# Altium PCB PCB2.PcbDoc (part 2 of 2)
Units mm, origin at the board's own origin, x right, y up, seen from the top; angles counter-clockwise.
Board outline 141.51 x 108.51 mm, 4 copper layers (L1 (Signal), L2 (GND), L3 (GND), L4 (Signal)), stack 1.605 mm thick; 124 components, 111 nets, 456 pads, 199 vias.
Unrouted connection lines stored in the file: 77.
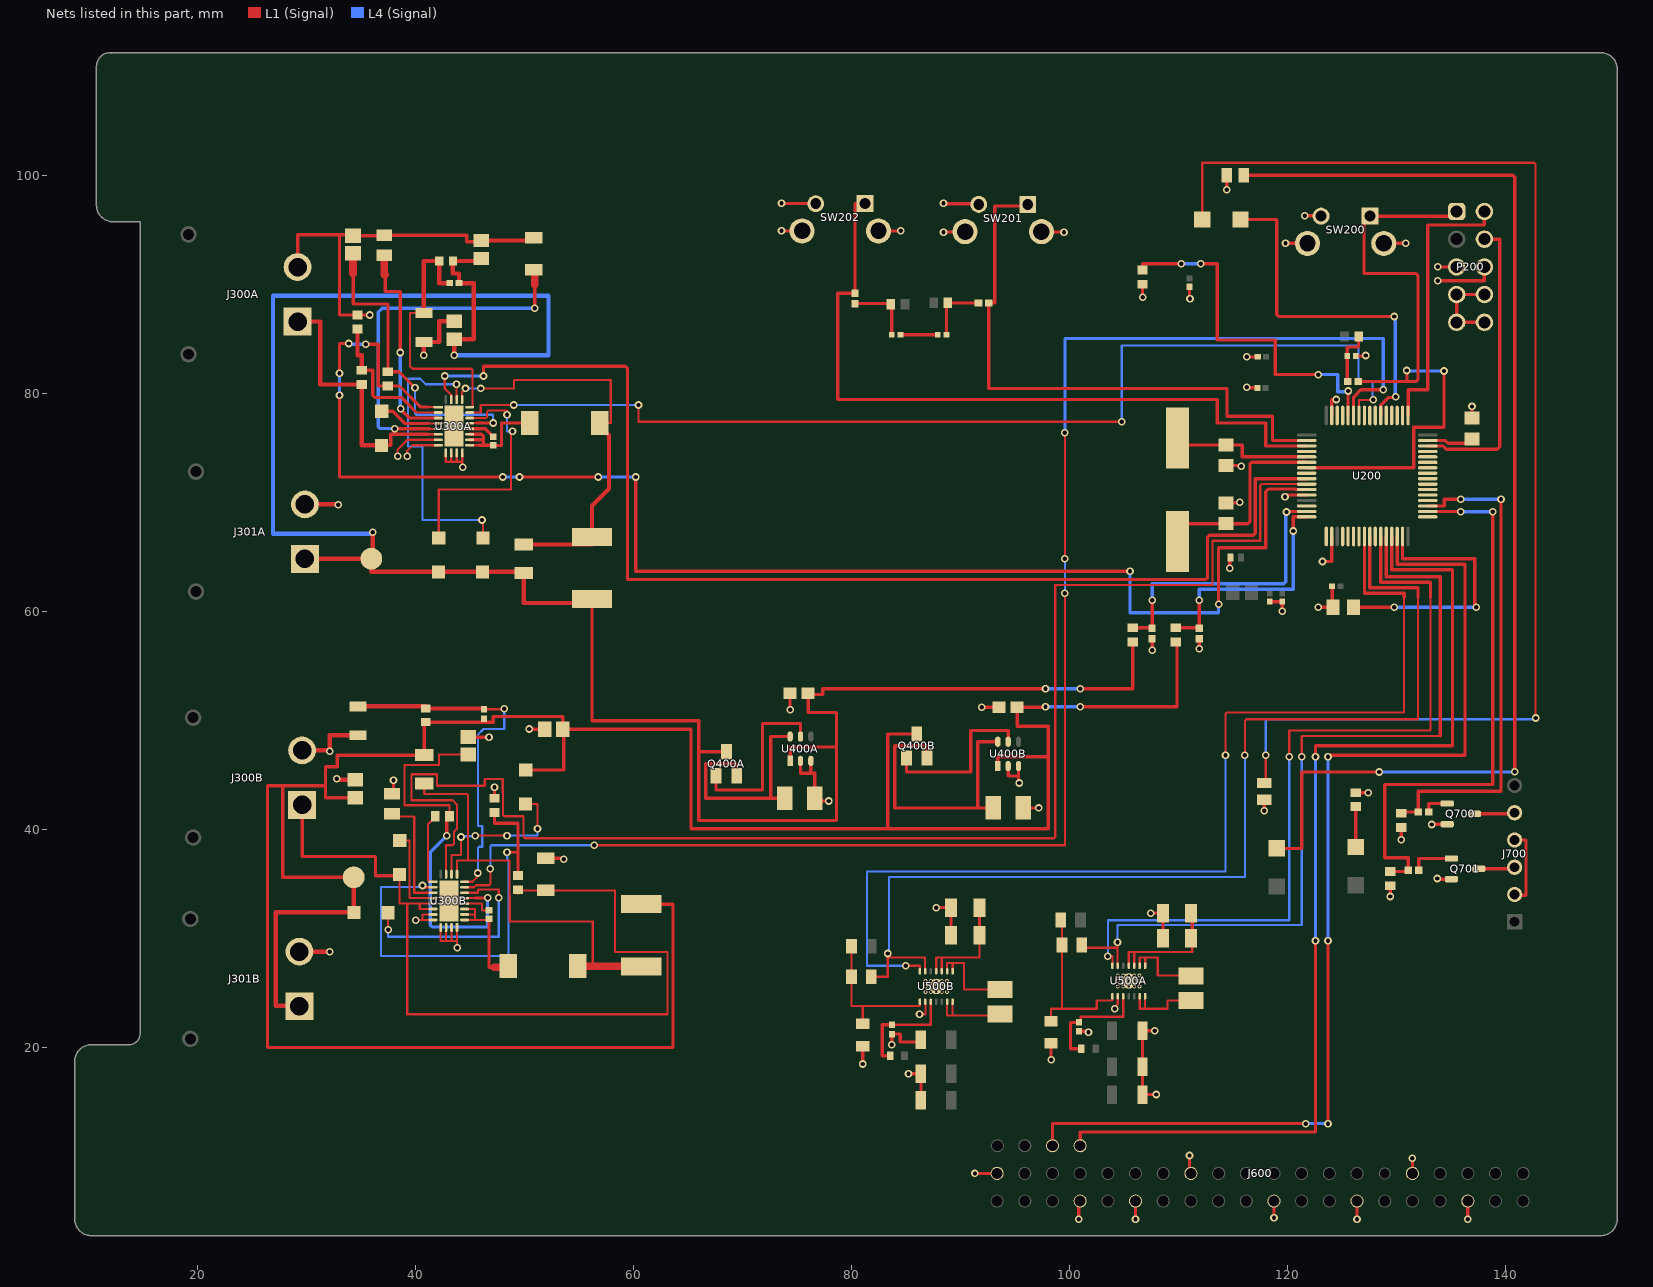
[diagram p4: the nets of this part, all layers, seen from the top]

## Via types
v1: diameter 0.7, hole 0.4, L1 (Signal) to L4 (Signal), 169 vias
v2: diameter 0.35, hole 0.2, L1 (Signal) to L4 (Signal), 30 vias

## Nets (pads, with @x,y where several pads share a name; then routed paths per layer and width w, separated by ;. In a path a pad name is that pad's centre, name@x,y a point inside that pad or via, vN(x,y) a via of type N, cw(c..) or ccw(c..) an arc to the next point about the centre after c; other vN are vias at no path point) (continued)
GND: C200.1 C201.1 C202.1 C203.1 C204.1 C205.1 C206.1 C207.2 C208.2 C209.2 C210.2 C211.2 C212.2 C213.2 C301A.2 C301B.2 C304A.2 C304B.2 C305A.2 C305B.2 C306A.1 C306B.1 C400A.2 C400B.2 C401A.2 C401B.2 C500A.1 C500B.1 C501A.1 C501B.1 C502A.1 C502B.1 C503A.1 C503B.1 C504A.1 C504B.1 C505A.2 C505B.2 J300A.N J300B.N J301A.N J301B.N J600.6 J600.9 J600.14 J600.20 J600.25 J600.30 J600.34 J600.39 P200.5 P200.6 Q700.2 Q701.2 R202.1 R203.1 R210.1 R304A.2 R304B.2 R305A.1 R305B.1 R306A.1 R306B.1 R503A.1 R503B.1 R701.1 R703.1 R704.1 R705.1 R706.1 SW200.2 SW200.3 SW200.4 SW201.2 SW201.3 SW201.4 SW202.2 SW202.3 SW202.4 U200.12 U200.18 U200.63 U300A.7 U300A.8 U300A.9 U300A.10 U300A.11 U300A.12 U300A.25 U300B.7 U300B.8 U300B.9 U300B.10 U300B.11 U300B.12 U300B.25 U400A.2 U400A.3 U400B.2 U400B.3 U500A.2 U500A.15 U500B.2 U500B.15 | length 210.2
  L1 (Signal) w0.2: v1(38.368,74.232) 38.368,74.845 39.268,75.745 U300A.7@42.099,75.745 ; v1(39.257,74.232) 39.257,74.74 39.762,75.245 U300A.8@42.099,75.245 ; v1(40.019,31.687) 40.019,31.7 40.654,31.7 ; U300B.8@41.626,31.7 40.654,31.7 ; U300B.7@41.626,32.2 40.654,32.2 40.654,31.7 ; U300B.9@42.317,31.009 42.317,29.782 42.817,29.782 ; U300A.9@42.789,74.555 42.789,73.724 43.289,73.724 ; U300B.10@42.817,31.009 42.817,29.782 ; U300A.10@43.289,74.555 43.289,73.724 ; U300B.11@43.317,31.009 43.317,29.782 ; U300A.11@43.789,74.555 43.789,73.724 ; U300B.12@43.817,31.009 43.817,29.782 ; v1(43.829,29.147) 43.817,29.147 43.817,29.782 ; U300A.12@44.289,74.555 44.297,74.546 44.297,73.724 ; v1(44.337,73.216) 44.297,73.256 44.297,73.724 ; v1(86.247,23.051) 86.779,23.051 U500B.2@86.779,24.196 U500B.2@86.771,24.188 ; v1(104.154,23.559) 104.154,23.694 104.435,23.975 U500A.2@104.435,24.699 ; 42.817,29.782 43.317,29.782 ; 43.289,73.724 43.789,73.724 ; 43.317,29.782 43.817,29.782 ; 43.789,73.724 44.297,73.724
  L1 (Signal) w0.3: J300A.N@29.191,91.591 29.204,91.591 29.204,94.549 33.034,94.549 ; v1(35.828,87.186) 35.828,87.201 R304A.2@34.685,87.201 33.034,87.201 33.034,94.549 ; R305B.1@37.86,43.28 37.987,43.407 v1(37.987,44.514) ; C306B.1@45.137,48.272 45.315,48.451 v1(46.75,48.451) ; C304A.2@46.036,94.028 46.036,93.917 44.718,93.917 44.718,94.508 R305A.1@37.146,94.508 37.146,94.463 C306A.1@34.279,94.463 34.279,94.549 33.034,94.549 ; R304B.2@47.258,42.863 v1(47.258,43.879) ; v1(50.433,49.213) 50.433,49.198 C305B.2@51.867,49.198 ; C301B.2@51.957,37.353 53.608,37.353 v1(53.608,37.275) ; v1(73.585,94.905) SW202.4@75.475,94.905 ; v1(73.585,97.445) 73.605,97.425 76.705,97.425 SW202.2@76.725,97.405 ; v1(74.371,50.991) 74.373,50.991 C400A.2@74.373,52.487 ; U400A.2@75.326,46.292 75.326,45.149 76.276,45.149 ; U400A.3@76.276,46.292 76.276,45.149 ; v1(77.927,42.609) 76.889,42.609 C401A.2@76.635,42.863 76.635,45.149 76.276,45.149 ; v1(81.04,18.479) C505B.2@81.04,20.121 ; SW202.3@82.475,94.905 v1(84.507,94.905) ; v1(83.707,20.257) R503B.1@83.707,21.229 84.469,21.229 84.469,20.511 86.371,20.511 C502B.1@86.371,20.721 ; C209.2@84.507,85.38 C208.2@87.917,85.38 ; v1(85.231,17.59) C503B.1@86.371,17.59 C504B.1@86.371,15.177 ; v1(87.771,32.83) C500B.1@89.138,32.83 C501B.1@89.138,30.29 ; v1(88.444,94.778) 88.473,94.807 90.395,94.807 SW201.4@90.425,94.837 ; v1(88.444,97.445) 88.498,97.391 91.621,97.391 SW201.2@91.675,97.337 ; v1(91.327,8.446) J600.39@93.359,8.446 ; v1(91.962,51.217) C400B.2@93.549,51.217 ; U400B.2@94.375,45.811 94.375,44.895 95.325,44.895 ; U400B.3@95.264,45.811 U400B.3@95.325,45.811 95.325,44.895 ; v1(95.391,44.26) 95.325,44.26 95.325,44.895 ; C401B.2@95.75,41.974 v1(97.169,41.974) ; SW201.3@97.425,94.837 97.454,94.807 99.463,94.807 v1(99.493,94.778) ; v1(98.312,18.86) C505A.2@98.312,20.375 ; v1(100.852,4.255) 100.852,5.906 J600.34@100.979,5.906 ; R503A.1@100.852,21.483 101.741,21.483 v1(101.741,21.4) ; v1(106.059,4.255) J600.30@106.059,5.906 ; R210.1@106.697,90.009 106.697,88.809 v1(106.732,88.809) ; v1(107.471,32.329) 108.562,32.329 C500A.1@108.569,32.322 C501A.1@108.569,30.036 ; v1(107.583,56.452) R202.1@107.583,57.501 ; v1(107.837,21.527) C502A.1@106.697,21.527 C503A.1@106.697,18.225 C504A.1@106.697,15.685 v1(107.964,15.685) ; v1(111.012,10.097) 111.012,8.446 J600.25@111.139,8.446 ; C205.1@111.015,89.787 111.015,88.682 v1(111.05,88.682) ; v1(111.901,56.579) R203.1@111.901,57.501 ; C211.2@114.349,73.377 115.749,73.377 v1(115.749,73.315) ; C210.2@114.355,69.951 115.622,69.951 v1(115.622,70.013) ; v1(114.42,98.681) 114.428,98.681 R704.1@114.428,100.013 ; v1(114.695,63.945) 114.695,64.933 C206.1@114.756,64.933 ; v1(116.257,80.554) 116.284,80.526 117.212,80.526 C201.1@117.239,80.499 ; v1(116.257,83.348) C204.1@117.274,83.348 ; v1(117.87,41.72) R705.1@117.87,42.71 ; C200.1@118.378,60.898 C202.1@119.521,60.898 v1(119.521,60.008) ; v1(118.759,4.382) J600.20@118.759,5.906 ; v1(119.775,70.526) 119.883,70.526 120.033,70.676 U200.12@121.756,70.676 ; v1(119.813,93.762) SW200.4@121.83,93.762 ; v1(121.591,96.302) 123.08,96.302 SW200.2@123.08,96.262 ; v1(122.823,60.389) 122.823,60.392 C213.2@124.094,60.392 ; v1(123.204,64.58) 124.056,64.58 U200.18@124.056,66.876 ; C203.1@124.056,62.294 C203.1@124.094,62.294 C213.2@124.094,60.392 ; U200.63@124.056,77.976 124.056,79.439 v1(124.474,79.439) ; C213.2@124.155,60.392 C213.2@124.094,60.392 ; R706.1@126.252,43.361 127.395,43.361 v1(127.395,43.371) ; C207.2@126.274,83.435 127.179,83.435 v1(127.179,83.475) ; v1(126.379,4.255) J600.14@126.379,5.906 ; SW200.3@128.83,93.762 v1(130.862,93.762) ; v1(129.427,33.846) R703.1@129.427,34.847 ; v1(130.443,39.053) R701.1@130.443,40.181 ; J600.9@131.459,8.446 v1(131.459,9.843) ; v1(133.237,40.45) 133.237,40.483 Q700.2@134.649,40.483 ; v1(133.745,35.497) 133.745,35.436 Q701.2@135.03,35.436 ; v1(133.783,90.333) 138.059,90.333 P200.6@138.059,91.603 ; v1(133.783,91.603) P200.5@135.519,91.603 ; v1(136.539,4.255) J600.6@136.539,5.906 ; v1(136.92,78.804) 136.92,77.726 C212.2@136.923,77.726
  L1 (Signal) w0.4: J301B.N@29.356,28.789 32.145,28.789 v1(32.145,28.766) ; J300B.N@29.61,47.253 v1@32.145,47.253 ; J301A.N@29.87,69.818 32.907,69.818 v1(32.907,69.787) ; v1(32.145,47.181) v1@32.145,47.253 ; v1(32.78,44.641) 32.78,44.563 C304B.2@34.469,44.563 ; R306B.1@34.723,48.635 32.145,48.635 v1@32.145,47.253 ; v1(40.781,83.503) R306A.1@40.781,84.718 42.178,84.718 42.178,86.615 C305A.2@43.575,86.615 ; C304A.2@46.036,94.028 50.862,94.028 C301A.2@50.862,94.296
  other v2: 86.779,25.096 87.279,25.096 87.779,25.096 88.279,25.096 88.779,25.096 86.779,25.596 87.279,25.596 87.779,25.596 88.279,25.596 88.779,25.596 104.435,25.599 104.935,25.599 105.435,25.599 105.935,25.599 106.435,25.599 86.779,26.096 87.279,26.096 87.779,26.096 88.279,26.096 88.779,26.096 104.435,26.099 104.935,26.099 105.435,26.099 105.935,26.099 106.435,26.099 104.435,26.599 104.935,26.599 105.435,26.599 105.935,26.599 106.435,26.599
NetC210_1: C210.1 U200.6 Y200.1 | length 18.9
  L1 (Signal) w0.3: Y200.1@109.907,66.406 109.907,68.051 C210.1@114.355,68.051 116.376,68.051 116.552,68.227 116.552,73.5 116.728,73.676 U200.6@121.756,73.676
NetC211_1: C211.1 U200.5 Y200.2 | length 13.6
  L1 (Signal) w0.3: Y200.2@109.907,75.906 109.907,75.277 C211.1@114.349,75.277 115.838,75.277 115.838,74.176 U200.5@121.756,74.176
NetC212_1: C212.1 U200.47 | length 4.3
  L1 (Signal) w0.3: U200.47@132.856,75.676 134.486,75.676 134.725,75.437 136.534,75.437 C212.1@136.923,75.826
NetC213_1: C213.1 U200.31 | length 24.5
  L1 (Signal) w0.3: C213.1@126.055,60.392 129.808,60.392 v1(129.808,60.389) ; U200.31@130.556,66.876 130.556,64.834 137.174,64.834 137.174,60.389 v1(137.301,60.389)
  L4 (Signal) w0.3: v1(129.808,60.389) v1(137.301,60.389)
NetC300A_1: C300A.1 U300A.16 | length 2.4
  L1 (Signal) w0.3: U300A.16@44.98,76.745 46.415,76.745 C300A.1@47.131,76.029
NetC300A_2: C300A.2 L300A.1 U300A.13 U300A.14 U300A.15 | length 11
  L1 (Signal) w0.2: U300A.13@44.98,75.245 45.861,75.245 45.861,75.248
  L1 (Signal) w0.3: U300A.14@44.98,75.745 46.242,75.745 ; U300A.15@44.98,76.245 46.066,76.245 46.242,76.069 46.242,75.745 ; 45.861,75.248 46.242,75.248 ; L300A.1@50.51,77.28 47.893,77.28 47.893,75.229 C300A.2@47.131,75.229 47.131,75.248 46.242,75.248 ; 46.242,75.248 46.242,75.745
NetC300B_1: C300B.1 U300B.16 | length 2.9
  L1 (Signal) w0.2: U300B.16@44.508,33.2 46.115,33.2 46.115,32.576 46.75,32.576 C300B.1@46.75,32.595
NetC300B_2: C300B.2 L300B.1 U300B.13 U300B.14 U300B.15 | length 11.5
  L1 (Signal) w0.2: U300B.13@44.508,31.7 44.508,31.687 45.48,31.687 ; U300B.14@44.508,32.2 44.508,32.193 45.48,32.193 ; U300B.15@44.508,32.7 45.48,32.7 45.48,32.193 ; C300B.2@46.75,31.795 46.75,31.687 45.48,31.687 ; 45.48,31.687 45.48,32.193
  L1 (Signal) w0.3: C300B.2@46.75,31.687 46.75,27.369 47.258,27.369
  L1 (Signal) w0.7: 47.258,27.369 48.503,27.369 L300B.1@48.503,27.496
NetC301A_1: C301A.1 J300A.P NT1A.1 R301A.1 U300A.5 U300A.6 | length 60
  L1 (Signal) w0.2: 41.162,76.245 U300A.6@42.099,76.245 ; 41.289,76.745 U300A.5@42.099,76.745
  L1 (Signal) w0.3: NT1A.1@36.88,75.235 37.733,75.235 37.733,76.245 38.114,76.245 ; 41.162,76.245 38.114,76.245 ; 41.289,76.745 38.141,76.745 v1(38.114,76.772) 38.114,76.245 ; v1(50.941,87.821) 50.941,89.98
  L1 (Signal) w0.4: J300A.P@29.191,86.591 31.256,86.591 31.256,80.821 R301A.1@35.066,80.821 35.066,75.235 NT1A.1@36.88,75.235
  L1 (Signal) w0.7: C301A.1@50.862,91.346 50.941,91.346 50.941,89.98
  L4 (Signal) w0.3: v1(38.114,76.772) 36.763,76.772 36.587,76.948 36.587,87.437 36.971,87.821 v1(50.941,87.821)
NetC301B_1: C301B.1 J300B.P NT1B.1 R301B.1 U300B.5 U300B.6 | length 82.1
  L1 (Signal) w0.2: NT1B.1@38.531,35.865 38.531,35.751 38.531,33.2 39.257,33.2 ; U300B.6@41.626,32.7 40.4,32.7 40.4,33.2 ; U300B.5@41.626,33.2 40.4,33.2 ; R301B.1@49.417,34.403 C301B.1@51.957,34.403 58.307,34.403 58.307,28.766 63.133,28.766 63.133,23.051 39.257,23.051 39.257,33.2 ; 39.257,33.2 40.4,33.2
  L1 (Signal) w0.3: J300B.P@29.61,42.253 29.61,37.529 36.336,37.529 36.336,35.751 NT1B.1@38.531,35.751
  L1 (Signal) w0.7: R301B.1@49.417,34.403 R301B.1@49.417,34.466
NetC302A_1: C302A.1 L300A.2 R300A.1 U300A.21 | length 38.6
  L1 (Signal) w0.2: U300A.21@44.289,79.436 44.289,80.107 44.591,80.409 v1(44.591,80.455) ; v1(45.988,80.455) 49.036,80.455 49.036,81.217 49.936,81.217 49.936,81.23 57.484,81.23 57.497,81.217 57.926,81.217 57.926,77.28 L300A.2@56.91,77.28
  L1 (Signal) w0.4: C302A.1@49.925,66.134 56.196,66.134 R300A.1@56.196,66.847 56.196,69.686 57.76,71.25 57.76,76.146 57.526,76.38 57.51,76.38 56.91,76.98 L300A.2@56.91,77.28
  L4 (Signal) w0.2: v1(44.591,80.455) v1(45.988,80.455)
NetC302A_2: C302A.2 C303A.1 C304A.1 C305A.1 C400A.1 J301A.P NT2A.2 NT3A.2 Q400A.3 R200.2 R300A.2 R303A.2 TP300A.1 U400A.1 | length 218
  L1 (Signal) w0.3: R300A.2@56.196,61.137 56.196,60.77 56.196,49.975 65.989,49.975 65.989,47.138 ; Q400A.3@68.529,47.138 65.989,47.138 ; U400A.1@74.376,46.292 74.376,47.562 78.435,47.562 ; C400A.1@76.025,52.487 C400A.1@76.025,52.388 ; v1(97.804,52.896) 77.357,52.896 77.357,52.388 C400A.1@76.025,52.388 ; v1(100.979,52.896) 105.805,52.896 R200.2@105.805,57.199 ; 65.989,47.138 65.989,40.831 78.627,40.831 78.627,50.737 76.025,50.737 C400A.1@76.025,52.388
  L1 (Signal) w0.4: J301A.P@29.87,64.818 TP300A.1@35.955,64.818 ; v1(36.082,67.247) 36.082,64.818 TP300A.1@35.955,64.818 ; v1(43.575,83.503) C305A.1@43.575,84.963 45.353,84.963 45.353,90.107 R303A.2@44,90.107 44,90.996 43.438,90.996 C303A.1@43.438,92.139 46.036,92.139 C304A.1@46.036,92.376 ; R300A.2@56.196,60.77 49.925,60.77 C302A.2@49.925,63.534 49.925,63.627 NT2A.2@46.169,63.627 NT3A.2@42.105,63.627 35.955,63.627 TP300A.1@35.955,64.818
  L4 (Signal) w0.3: v1(97.804,52.896) v1(100.979,52.896)
  L4 (Signal) w0.4: v1(36.082,67.247) 36.082,67.12 26.938,67.12 26.938,88.964 52.211,88.964 52.211,83.503 v1(43.575,83.503)
NetC303A_2: C303A.2 R303A.1 R306A.2 U300A.20 | length 24.8
  L1 (Signal) w0.2: R306A.2@40.781,87.368 39.511,87.368 39.511,82.477 39.729,82.259 45.124,82.259 45.241,82.142 45.241,78.765 45.221,78.745 U300A.20@44.98,78.745
  L1 (Signal) w0.4: R306A.2@40.781,87.368 40.781,92.139 C303A.2@42.188,92.139 42.188,90.107 R303A.1@43.15,90.107
NetC303B_1: C303B.1 C304B.1 C305B.1 C320B.2 C400B.1 J301B.P NT2B.2 NT3B.2 Q400B.3 R201.2 R300B.2 R303B.2 TP300B.1 U400B.1 | length 264.3
  L1 (Signal) w0.3: TP300B.1@34.342,35.624 27.827,35.624 27.827,44.006 ; C304B.1@34.469,42.911 31.764,42.911 31.764,44.006 ; C303B.1@40.819,49.843 C320B.2@40.819,46.815 32.84,46.815 32.84,45.739 31.764,45.739 31.764,44.006 ; C303B.1@40.946,49.843 47.131,49.843 47.131,50.356 53.519,50.356 C305B.1@53.519,49.198 C305B.1@53.608,49.198 ; NT2B.2@50.125,45.452 53.608,45.452 C305B.1@53.608,49.198 ; R300B.2@60.72,33.145 63.641,33.145 63.641,20.003 26.43,20.003 26.43,44.006 27.827,44.006 ; Q400B.3@85.993,48.761 83.326,48.761 83.326,40.069 ; U400B.1@93.425,45.811 93.425,46.673 98.058,46.673 ; v1(97.804,51.245) 97.804,51.217 C400B.1@95.201,51.217 95.201,49.467 98.058,49.467 98.058,46.673 ; v1(100.979,51.245) 109.869,51.245 109.869,57.199 R201.2@109.742,57.199 ; 27.827,44.006 31.764,44.006 ; C305B.1@53.608,49.198 65.292,49.198 65.292,40.069 83.326,40.069 ; 83.326,40.069 98.058,40.069 98.058,46.673
  L1 (Signal) w0.4: J301B.P@29.356,23.789 29.356,23.813 27.192,23.813 27.192,32.395 NT3B.2@34.342,32.395 ; TP300B.1@34.342,35.624 TP300B.1@34.342,35.609 NT3B.2@34.342,32.395 ; NT3B.2@34.367,32.395 NT3B.2@34.342,32.395 ; C303B.1@40.819,49.843 C303B.1@40.946,49.843
  L4 (Signal) w0.3: v1(97.804,51.245) v1(100.979,51.245)
NetC303B_2: C303B.2 R303B.1 R306B.2 U300B.20 | length 33.3
  L1 (Signal) w0.2: U300B.20@44.508,35.2 45.223,35.2 45.638,35.615 45.638,35.909 v1(45.734,36.005) ; R303B.1@46.28,51.02 48.147,51.02 v1(48.147,51.056)
  L1 (Signal) w0.4: R306B.2@34.723,51.285 40.946,51.285 C303B.2@40.946,51.093 46.28,51.093 R303B.1@46.28,51.02
  L4 (Signal) w0.2: v1(45.734,36.005) 45.734,38.301 45.851,38.418 46.13,38.418 46.13,40.323 45.734,40.323 45.734,48.7 46.247,49.213 48.147,49.213 v1(48.147,51.056)
NetC306A_2: C306A.2 R302A.2 U300A.17 | length 29.7
  L1 (Signal) w0.2: U300A.17@44.98,77.245 44.98,77.28 45.607,77.28
  L1 (Signal) w0.3: 34.304,90.996 34.304,88.202 37.479,88.202 R302A.2@37.479,81.979 38.495,81.979 v1(39.965,80.509) ; 45.607,77.28 v1(47.131,77.28)
  L1 (Signal) w0.7: 34.279,90.996 C306A.2@34.279,92.863
  L4 (Signal) w0.2: v1(39.965,80.509) 39.965,78.159 40.082,78.042 47.131,78.042 v1(47.131,77.28)
NetC306B_2: C306B.2 R302B.2 U300B.17 | length 36.5
  L1 (Signal) w0.2: R302B.2@43.12,41.197 43.12,42.228 39.003,42.228 39.003,45.911 42.178,45.911 42.178,46.889 C306B.2@44.845,46.889 ; U300B.17@44.508,33.7 45.48,33.7 45.48,33.719
  L1 (Signal) w0.3: v1(42.88,39.434) 42.88,40.957 R302B.2@43.12,41.197 ; 45.48,33.719 v1(46.623,33.719)
  L4 (Signal) w0.3: v1(42.88,39.434) 41.354,37.908 41.354,31.228 41.53,31.052 46.623,31.052 v1(46.623,33.719)
NetC320B_1: C320B.1 L300B.2 R300B.1 U300B.21 | length 40.2
  L1 (Signal) w0.2: C320B.1@40.819,44.215 40.819,43.244 44.713,43.244 44.83,43.127 44.83,37.28 44.845,37.265 ; U300B.21@43.817,35.891 43.829,35.891 43.829,37.148 48.642,37.148 48.642,33.942 48.655,33.929 48.655,31.56 56.275,31.56 56.275,27.435
  L1 (Signal) w0.7: L300B.2@54.903,27.496 54.903,27.435 56.275,27.435 R300B.1@60.72,27.435
NetC401A_1: C401A.1 Q400A.2 U400A.6 | length 21.8
  L1 (Signal) w0.3: Q400A.2@69.479,44.938 69.479,46.038 66.624,46.038 66.624,42.863 72.593,42.863 ; C401A.1@73.885,42.863 72.593,42.863 ; U400A.6@74.376,48.523 72.593,48.523 72.593,42.863
NetC401B_1: C401B.1 Q400B.2 U400B.6 | length 26.8
  L1 (Signal) w0.3: Q400B.2@86.943,46.561 86.943,47.689 83.961,47.689 83.961,41.974 91.581,41.974 ; C401B.1@93,41.974 91.581,41.974 ; U400B.6@93.425,48.042 91.581,48.042 91.581,41.974
NetC505A_1: C505A.1 R500A.2 R502A.2 U500A.1 | length 16.2
  L1 (Signal) w0.2: C505A.1@98.312,22.425 98.312,23.559 99.328,23.559 ; R502A.2@99.201,31.687 99.328,31.687 R500A.2@99.328,29.401 99.328,23.559 ; U500A.1@103.935,24.699 103.935,24.321 102.503,24.321 102.503,23.559 99.328,23.559
NetC505B_1: C505B.1 R500B.2 R502B.2 U500B.1 | length 13.8
  L1 (Signal) w0.2: R502B.2@80.013,29.274 R500B.2@80.013,26.48 80.013,23.813 81.04,23.813 ; C505B.1@81.04,22.171 81.04,23.813 ; U500B.1@86.279,24.196 86.279,23.813 81.04,23.813
NetD700_1: D700.1 R705.2 | length 117.4
  L1 (Signal) w0.2: D700.1@112.183,95.949 112.183,101.156 142.645,101.156 142.762,101.039 v1(142.762,50.229) ; R705.2@117.87,44.26 117.997,44.387 v1(117.997,46.8)
  L4 (Signal) w0.2: v1(117.997,46.8) 117.997,49.985 118.114,50.102 142.762,50.102 v1(142.762,50.229)
NetD700_2: D700.2 U200.54 | length 33
  L1 (Signal) w0.3: D700.2@115.683,95.949 119.013,95.949 119.013,87.235 119.189,87.059 v1(129.808,87.059) ; U200.54@128.556,77.976 128.556,78.933 129.239,79.616 129.858,79.616 v1(129.935,79.693)
  L4 (Signal) w0.3: v1(129.808,87.059) 129.872,86.995 129.872,79.756 v1(129.935,79.693)
NetD701_1: D701.1 R704.2 | length 108.4
  L1 (Signal) w0.3: R704.2@115.978,100.013 140.681,100.013 140.857,99.837 v1(140.857,45.283) ; D701.1@119.013,38.263 121.299,38.263 121.299,45.276 v1(128.411,45.276)
  L4 (Signal) w0.3: v1(128.411,45.276) 128.414,45.279 140.854,45.279 v1(140.857,45.283)
NetD702_1: D702.1 R706.2 | length 3.7
  L1 (Signal) w0.3: D702.1@126.252,38.39 R706.2@126.252,42.111
NetL500A_1: L500A.1 U500A.6 U500A.7 | length 7.8
  L1 (Signal) w0.2: U500A.6@106.435,24.699 106.44,24.699 106.44,23.559 106.935,23.559 ; U500A.7@106.935,24.699 106.935,23.559 ; L500A.1@111.15,24.321 108.98,24.321 108.98,23.559 106.935,23.559
NetL500A_2: L500A.2 U500A.8 U500A.9 | length 7.9
  L1 (Signal) w0.2: U500A.9@106.435,27.499 106.44,27.499 106.44,28.258 106.948,28.258 ; U500A.8@106.935,27.499 106.948,27.499 106.948,28.258 ; L500A.2@111.15,26.572 111.15,26.607 108.091,26.607 108.091,28.258 106.948,28.258
NetL500B_1: L500B.1 U500B.6 U500B.7 | length 7.5
  L1 (Signal) w0.2: U500B.6@88.779,24.196 88.779,22.924 89.279,22.924 ; U500B.7@89.279,24.196 89.279,22.924 ; L500B.1@93.613,23.068 93.613,22.924 89.279,22.924
NetL500B_2: L500B.2 U500B.8 U500B.9 | length 8.8
  L1 (Signal) w0.2: U500B.9@88.779,26.996 88.779,27.75 89.295,27.75 ; U500B.8@89.279,26.988 U500B.8@89.279,26.996 89.295,26.996 89.295,27.75 ; L500B.2@93.613,25.32 90.311,25.32 90.311,27.75 89.295,27.75
NetNT1A_2: NT1A.2 U300A.4 | length 5.6
  L1 (Signal) w0.2: 41.166,77.25 41.171,77.245 U300A.4@42.099,77.245
  L1 (Signal) w0.3: NT1A.2@36.917,78.36 37.923,78.36 39.038,77.245 41.162,77.245 41.166,77.25
NetNT1B_2: NT1B.2 U300B.4 | length 8.3
  L1 (Signal) w0.2: NT1B.2@38.568,38.99 39.457,38.99 39.457,33.719 41.626,33.719 U300B.4@41.626,33.7
NetNT2A_1: NT2A.1 U300A.22 | length 27.6
  L1 (Signal) w0.2: v1(43.776,80.836) 43.782,80.829 43.782,79.443 U300A.22@43.789,79.436 ; v1(46.115,68.39) 46.206,68.39 NT2A.1@46.206,66.752
  L4 (Signal) w0.2: v1(43.776,80.836) 40.948,80.836 40.44,81.344 39.315,81.344 39.315,79.795 39.322,79.787 39.322,75.121 40.654,75.121 40.654,68.39 v1(46.115,68.39)
NetNT2B_1: NT2B.1 U300B.22 | length 15.3
  L1 (Signal) w0.2: U300B.22@43.317,35.891 43.321,35.891 43.321,37.656 44.18,37.656 v1(44.18,39.307) ; v1(45.48,39.434) v1(48.401,39.434) ; NT2B.1@50.088,42.327 51.195,42.327 v1(51.195,40.069)
  L4 (Signal) w0.2: v1(44.18,39.307) 44.243,39.37 45.417,39.37 v1(45.48,39.434) ; v1(48.401,39.434) 51.195,39.434 v1(51.195,40.069)
NetNT3A_1: NT3A.1 U300A.18 | length 22.9
  L1 (Signal) w0.2: NT3A.1@42.142,66.752 42.142,71.184 48.782,71.184 48.782,76.518 v1(48.909,76.518) ; U300A.18@44.98,77.745 46.463,77.745 46.58,77.862 46.58,78.306 46.697,78.423 48.401,78.423 v1(48.401,78.042)
  L4 (Signal) w0.2: v1(48.401,78.042) 48.401,76.518 v1(48.909,76.518)
NetNT3B_1: NT3B.1 U300B.18 | length 20.1
  L1 (Signal) w0.2: NT3B.1@37.492,32.358 37.494,32.355 v1(37.494,30.798) ; U300B.18@44.508,34.2 45.734,34.2 45.734,34.481 47.639,34.481 v1(47.639,33.719)
  L1 (Signal) w0.3: NT3B.1@37.479,32.358 NT3B.1@37.492,32.358
  L4 (Signal) w0.2: v1(37.494,30.798) 37.479,30.783 37.479,30.163 47.639,30.163 v1(47.639,33.719)
NetQ400A_1: Q400A.1 U400A.5 | length 16.4
  L1 (Signal) w0.3: Q400A.1@67.579,44.938 67.579,43.625 71.831,43.625 71.831,49.721 75.326,49.721 U400A.5@75.326,48.523
NetQ400B_1: Q400B.1 U400B.5 | length 15.5
  L1 (Signal) w0.3: Q400B.1@85.043,46.561 85.043,45.276 90.946,45.276 90.946,49.086 94.375,49.086 U400B.5@94.375,48.042
NetQ700_1: Q700.1 R700.2 | length 2.6
  L1 (Signal) w0.2: Q700.1@134.649,42.383 Q700.1@134.649,42.449
  L1 (Signal) w0.3: R700.2@132.95,41.593 132.95,42.383 Q700.1@134.649,42.383
NetQ701_1: Q701.1 R702.2 | length 4.1
  L1 (Signal) w0.3: R702.2@132.028,36.259 132.028,37.336 Q701.1@135.03,37.336
NetR210_2: R210.2 U200.60 | length 33.5
  L1 (Signal) w0.3: R210.2@106.697,91.309 106.697,91.885 v1(110.25,91.885) ; v1(112.028,91.885) 113.552,91.885 113.552,84.9 118.886,84.9 118.886,81.725 v1(122.823,81.725) ; U200.60@125.556,77.976 v1(125.556,80.215)
  L4 (Signal) w0.3: v1(110.25,91.885) v1(112.028,91.885) ; v1(122.823,81.725) 124.601,81.725 124.601,80.138 125.479,80.138 v1(125.556,80.215)
NetR301A_2: R301A.2 R304A.1 U300A.2 | length 14.2
  L1 (Signal) w0.2: 40.02,78.295 40.02,78.245 U300A.2@42.099,78.245
  L1 (Signal) w0.3: R301A.2@35.066,82.121 36.082,82.121 36.082,79.807 36.258,79.631 38.684,79.631 40.02,78.295
  L1 (Signal) w0.4: R304A.1@34.685,85.901 34.685,83.503 35.066,83.503 R301A.2@35.066,82.121
NetR301B_2: R301B.2 R304B.1 U300B.2 | length 41.6
  L1 (Signal) w0.2: v1(40.654,34.862) 40.654,34.7 U300B.2@41.626,34.7 ; v1(48.401,37.895) 48.416,37.91 49.417,37.91
  L1 (Signal) w0.3: R304B.1@47.258,41.563 47.258,40.577 49.417,40.577 49.417,37.91 R301B.2@49.417,35.766
  L4 (Signal) w0.2: v1(40.654,34.862) 40.654,34.735 36.844,34.735 36.844,28.385 48.528,28.385 48.528,37.145 48.428,37.245 48.428,37.868 v1(48.401,37.895)
NetR302A_1: R302A.1 U200.11 U300A.1 | length 138.1
  L1 (Signal) w0.2: 41.212,78.745 U300A.1@42.099,78.745
  L1 (Signal) w0.3: v1(33.034,79.82) 33.034,72.327 v1(48.02,72.327) ; v1(33.034,81.852) 33.034,84.579 v1(33.88,84.579) ; v1(35.447,84.519) 36.59,84.519 36.59,80.679 R302A.1@37.479,80.679 38.543,80.679 40.477,78.745 41.212,78.745 ; v1(49.544,72.327) v1(56.783,72.327) ; v1(60.212,72.327) 60.212,63.691 v1(105.551,63.691) ; v1(113.679,60.643) 113.679,65.85 117.997,65.85 117.997,71 118.223,71.226 120.749,71.226 120.799,71.176 U200.11@121.426,71.176
  L4 (Signal) w0.3: v1(33.034,79.82) v1(33.034,81.852) ; v1(33.88,84.579) 33.88,84.519 v1(35.447,84.519) ; v1(48.02,72.327) v1(49.544,72.327) ; v1(56.783,72.327) v1(60.212,72.327) ; v1(105.551,63.691) 105.551,59.881 113.679,59.881 v1(113.679,60.643)
NetR305A_2: R305A.2 U300A.3 | length 19.4
  L1 (Signal) w0.3: 37.225,90.869 37.225,89.345 38.622,89.345 v1(38.622,83.757) ; v1(38.672,78.6) 38.672,78.5 39.427,77.745 40.307,77.745 40.311,77.75 41.374,77.75 41.378,77.745 U300A.3@42.099,77.745
  L1 (Signal) w0.7: R305A.2@37.146,92.658 37.146,90.869 37.225,90.869
  L4 (Signal) w0.3: v1(38.622,83.757) 38.622,78.651 v1(38.672,78.6)
NetR305B_2: R305B.2 U300B.3 | length 11
  L1 (Signal) w0.2: R305B.2@37.86,41.43 37.86,41.176 39.892,41.176 39.892,34.2 U300B.3@41.626,34.2
NetR500A_1: R500A.1 U200.28 U500A.13 | length 77.3
  L1 (Signal) w0.2: R500A.1@101.128,29.401 101.382,29.147 104.408,29.147 ; v1(104.408,29.655) 104.408,29.147 ; U500A.13@104.435,27.499 104.435,27.69 104.408,27.717 104.408,29.147 ; v1(121.299,46.673) 121.299,48.578 133.999,48.578
  L1 (Signal) w0.3: U200.28@129.056,66.876 129.056,63.183 133.999,63.183 133.999,48.578
  L4 (Signal) w0.2: v1(104.408,29.655) 104.408,31.245 121.299,31.245 v1(121.299,46.673)
NetR500B_1: R500B.1 U200.25 U500B.13 | length 99.6
  L1 (Signal) w0.2: R500B.1@81.813,26.48 83.326,26.48 83.326,28.258 ; v1(83.326,28.624) 83.326,28.258 ; U500B.13@86.779,26.996 86.779,26.988 86.755,26.988 86.755,28.258 83.326,28.258 ; v1(116.092,46.8) 116.092,49.985 116.209,50.102 131.967,50.102 131.967,61.278
  L1 (Signal) w0.3: U200.25@127.556,66.876 127.556,62.167 131.967,62.167 131.967,61.278
  L4 (Signal) w0.2: v1(83.326,28.624) 83.453,28.624 83.453,35.624 116.092,35.624 v1(116.092,46.8)
NetR501A_1: R501A.1 R503A.2 U500A.3 | length 10.6
  L1 (Signal) w0.2: R503A.2@100.852,22.333 101.027,22.508 101.027,22.816 104.935,22.816 U500A.3@104.935,24.699
  L1 (Signal) w0.3: R503A.2@100.852,22.333 100.852,22.289 100.09,22.289 100.09,19.876 R501A.1@101.091,19.876
NetR501B_1: R501B.1 R503B.2 U500B.3 | length 10.2
  L1 (Signal) w0.2: R503B.2@83.707,22.079 87.279,22.079 U500B.3@87.279,24.196
  L1 (Signal) w0.3: R501B.1@83.565,19.241 82.818,19.241 82.818,22.079 R503B.2@83.707,22.079
NetR700_1: R700.1 R701.2 U200.35 | length 45.3
  L1 (Signal) w0.3: R701.2@130.443,41.481 130.443,41.593 R700.1@132,41.593 132,43.498 139.587,43.498 v1(139.587,70.295) ; U200.35@132.856,69.676 134.38,69.676 134.38,70.295 v1(135.904,70.295)
  L4 (Signal) w0.3: v1(135.904,70.295) v1(139.587,70.295)
NetR702_1: R702.1 R703.2 U200.34 | length 52.7
  L1 (Signal) w0.3: R703.2@129.427,36.147 131.078,36.147 R702.1@131.078,36.259 131.078,37.402 128.919,37.402 128.919,44.133 138.825,44.133 v1(138.825,69.152) ; U200.34@132.856,69.176 135.904,69.176 v1(135.904,69.152)
  L4 (Signal) w0.3: v1(135.904,69.152) v1(138.825,69.152)
NetU200_9: U200.9 U300A.23 | length 110.8
  L1 (Signal) w0.2: v1(42.686,81.598) 42.686,80.455 43.281,79.86 43.281,79.444 U300A.23@43.289,79.436
  L1 (Signal) w0.3: v1(46.242,81.598) 46.242,82.487 59.274,82.487 59.45,82.311 59.45,62.929 112.487,62.929 112.663,63.105 112.663,66.817 112.839,66.993 116.876,66.993 117.052,67.169 117.052,72.176 U200.9@121.756,72.176
  L4 (Signal) w0.3: v1(42.686,81.598) v1(46.242,81.598)
NetU200_10: U200.10 U300B.23 | length 135.3
  L1 (Signal) w0.2: U300B.23@42.817,35.891 42.817,38.545 43.413,38.545 43.53,38.662 43.53,39.77 43.82,40.06 43.82,42.27 43.413,42.678 39.638,42.678 39.638,45.065 41.969,45.065 41.969,44.006 46.369,44.006 46.369,44.641 48.02,44.641 48.02,43.4 48.033,43.387 48.033,41.329 48.15,41.212 49.925,41.212 49.925,39.312 50.042,39.195 98.576,39.195 98.693,39.312 98.693,62.421 113.113,62.421 113.113,66.485 117.502,66.485 117.502,71.559 117.619,71.676 U200.10@121.756,71.676
NetU200_24: U200.24 U500B.14 | length 97.6
  L1 (Signal) w0.2: v1(84.977,27.496) 86.279,27.496 U500B.14@86.279,26.996 ; v1(114.314,46.8) 114.314,50.62 114.431,50.737 130.697,50.737 130.697,61.278
  L1 (Signal) w0.3: U200.24@127.056,66.876 127.056,61.659 130.697,61.659 130.697,61.278
  L4 (Signal) w0.2: v1(84.977,27.496) 81.421,27.496 81.421,36.132 114.314,36.132 v1(114.314,46.8)
NetU200_27: U200.27 U500A.14 | length 73.9
  L1 (Signal) w0.2: v1(103.519,28.385) 103.935,28.385 U500A.14@103.935,27.499 ; v1(120.156,46.673) 120.156,49.086 133.11,49.086 133.11,61.278
  L1 (Signal) w0.3: U200.27@128.556,66.876 128.556,62.675 133.11,62.675 133.11,61.278
  L4 (Signal) w0.2: v1(103.519,28.385) 103.519,31.679 120.156,31.679 v1(120.156,46.673)
NetU200_58: U200.58 U300A.19 | length 99.8
  L1 (Signal) w0.2: U300A.19@44.98,78.245 45.988,78.245 45.988,78.931 v1(49.036,78.931) ; v1(60.466,78.931) 60.466,77.407 v1(104.789,77.407) ; U200.58@126.575,77.995 U200.58@126.556,77.976 126.556,79.403 v1(127.879,79.403)
  L4 (Signal) w0.2: v1(49.036,78.931) v1(60.466,78.931) ; v1(104.789,77.407) 104.789,84.392 126.506,84.392 126.506,81.09 127.807,81.09 127.807,79.475 v1(127.879,79.403)
NetU200_59: U200.59 U300B.19 | length 143.8
  L1 (Signal) w0.2: U300B.19@44.508,34.7 45.387,34.7 45.568,34.881 46.76,34.881 46.877,34.998 v1(46.877,36.386) ; v1(56.402,38.545) 99.582,38.545 v1(99.582,61.659) ; v1(99.582,64.834) v1(99.582,76.391)
  L1 (Signal) w0.3: U200.59@126.056,77.976 126.056,79.65 126.734,80.328 v1(128.792,80.328)
  L4 (Signal) w0.2: v1(46.877,36.386) 46.877,38.428 46.994,38.545 v1(56.402,38.545) ; v1(99.582,61.659) v1(99.582,64.834)
  L4 (Signal) w0.3: v1(99.582,76.391) 99.582,85.027 128.792,85.027 v1(128.792,80.328)
NRST: P200.1 R207.2 SW200.1 U200.7 | length 60.3
  L1 (Signal) w0.3: U200.7@121.756,73.176 131.586,73.176 131.586,76.899 134.357,76.899 v1(134.357,82.059) ; R207.2@126.473,81.09 130.951,81.09 ; v1(130.951,82.106) 130.951,81.09 ; P200.1@135.519,96.683 135.519,96.262 SW200.1@127.58,96.262 127.014,96.262 127.014,90.996 131.791,90.996 131.967,90.82 131.967,81.266 131.791,81.09 130.951,81.09
  L4 (Signal) w0.3: v1(130.951,82.106) 130.998,82.059 v1(134.357,82.059)
"NRST NDB": C207.1 R204.1 R207.1 | length 5.2
  L1 (Signal) w0.3: R207.1@125.523,81.09 125.474,81.09 C207.1@125.474,83.435 125.474,84.265 126.506,84.265 126.506,85.213 R204.1@126.524,85.213
PA0: U200.14
PA3: U200.17
PA4: U200.20
PA5: U200.21
PA6: U200.22
PA7: U200.23
PA8: U200.41
PA9: U200.42
PA10: U200.43
PA11: U200.44
PA12: U200.45
PA15: U200.50
PB0: U200.26
PB3: U200.55
PB4: U200.56
PB5: U200.57
PB8: U200.61
PB9: U200.62
PB12: U200.33
PB15: U200.36
PC0: U200.8
PC6: U200.37
PC7: U200.38
PC8: U200.39
PC9: U200.40
PC10: U200.51
PC11: U200.52
PC12: U200.53
PC15: U200.4
"POWER O1": J700.5 Q700.3 | length 3.8
  L1 (Signal) w0.3: Q700.3@137.159,41.433 140.836,41.433 J700.5@140.836,41.533
"POWER O2": J700.3 Q701.3 | length 3.4
  L1 (Signal) w0.3: Q701.3@137.54,36.386 140.836,36.386 J700.3@140.836,36.533
RX: J600.43 U200.30 | length 100
  L1 (Signal) w0.3: J600.43@98.439,10.986 98.439,13.018 v1(121.68,13.018) ; v1(123.712,13.018) v1(123.712,29.782) ; v1(123.712,46.673) 123.712,46.8 136.285,46.8 136.285,64.326 130.056,64.326 U200.30@130.056,66.876
  L4 (Signal) w0.3: v1(121.68,13.018) v1(123.712,13.018) ; v1(123.712,29.782) v1(123.712,46.673)
SWCLK: P200.2 U200.49 | length 25.7
  L1 (Signal) w0.3: U200.49@131.056,77.976 131.078,77.976 131.078,80.328 132.856,80.328 132.856,95.441 138.059,95.441 P200.2@138.059,96.683
SWDIO: P200.4 U200.46 | length 27.3
  L1 (Signal) w0.3: U200.46@132.856,75.176 134.279,75.176 134.579,74.876 139.224,74.876 139.46,75.113 139.46,94.143 P200.4@138.059,94.143
"SYNC CHRGR": R302B.1 U300B.1 | length 6.7
  L1 (Signal) w0.2: U300B.1@41.626,35.2 41.605,35.221 41.279,35.221 41.162,35.338 41.162,40.464 41.82,41.122 R302B.1@41.82,41.197
TX: J600.44 U200.29 | length 95.6
  L1 (Signal) w0.3: J600.44@100.979,10.986 100.979,12.256 122.569,12.256 v1(122.569,29.782) ; v1(122.569,46.673) 122.569,47.689 135.142,47.689 135.142,63.818 129.556,63.818 U200.29@129.556,66.876
  L4 (Signal) w0.3: v1(122.569,29.782) v1(122.569,46.673)
"USER BUTTON 0": R208.2 SW201.1 U200.2 | length 54.4
  L1 (Signal) w0.3: SW201.1@96.175,97.337 96.175,97.191 93.143,97.191 93.143,88.301 R208.2@92.602,88.301 92.602,80.455 114.441,80.455 114.441,77.915 118.632,77.915 118.632,75.676 121.006,75.676 U200.2@121.756,75.676
"USER BUTTON 1": R209.2 SW202.1 U200.3 | length 68.2
  L1 (Signal) w0.3: SW202.1@80.884,97.064 SW202.1@81.225,97.405 80.316,97.405 R209.2@80.316,89.19 78.754,89.19 78.754,79.439 113.552,79.439 113.552,77.28 117.997,77.28 117.997,75.176 121.006,75.176 U200.3@121.756,75.176
"USRB0 NDB": C208.1 R205.1 R208.1 | length 6
  L1 (Signal) w0.3: C208.1@88.717,85.38 88.717,88.301 R205.1@88.84,88.301 R208.1@91.652,88.301 R208.1@91.652,88.174
"USRB1 NDB": C209.1 R206.1 R209.1 | length 6.3
  L1 (Signal) w0.3: R209.1@80.316,88.24 83.603,88.24 R206.1@83.603,88.174 83.707,88.174 C209.1@83.707,85.38
"V DIODE1": C500A.2 C501A.2 U500A.10 U500A.11 | length 12
  L1 (Signal) w0.2: U500A.11@105.435,27.499 105.435,28.766 105.935,28.766 ; U500A.10@105.935,27.499 105.935,28.766 ; C501A.2@111.266,30.036 111.266,28.766 105.935,28.766
  L1 (Signal) w0.3: C500A.2@111.169,32.322 111.266,32.322 C501A.2@111.266,30.036
"V DIODE2": C500B.2 C501B.2 U500B.10 U500B.11 | length 11.1
  L1 (Signal) w0.2: U500B.11@87.779,26.996 87.779,28.258 88.279,28.258 ; U500B.10@88.279,26.996 88.279,28.258 ; C501B.2@91.738,30.29 91.738,28.258 88.279,28.258
  L1 (Signal) w0.3: C501B.2@91.738,30.29 C500B.2@91.738,32.83
"VBAT1 DIV": R200.1 R202.2 U200.15 | length 26.5
  L1 (Signal) w0.3: R200.1@105.805,58.499 R202.2@107.583,58.499 ; R202.2@107.583,58.451 R202.2@107.583,58.499 ; v1(107.583,61.024) R202.2@107.583,58.499 ; v1(119.902,69.126) 119.952,69.176 U200.15@121.756,69.176
  L4 (Signal) w0.3: v1(107.583,61.024) 107.583,62.548 119.661,62.548 119.837,62.724 119.837,69.061 v1(119.902,69.126)
"VBAT2 DIV": R201.1 R203.2 U200.16 | length 22.2
  L1 (Signal) w0.3: R201.1@109.742,58.499 111.901,58.499 v1(111.901,61.024) ; v1(120.537,67.374) 120.537,68.676 U200.16@121.756,68.676
  L4 (Signal) w0.3: v1(111.901,61.024) 111.901,62.04 120.537,62.04 v1(120.537,67.374)
VBUS: J700.2 J700.4 | length 7.2
  L1 (Signal) w0.3: J700.2@140.836,34.033 140.836,33.973 141.873,33.973 141.873,36.085 141.886,36.098 141.886,36.968 141.873,36.981 141.873,39.033 J700.4@140.836,39.033
VCC: P200.7 P200.8 P200.9 P200.10 | length 7.6
  L1 (Signal) w0.3: P200.10@138.059,86.523 P200.9@135.519,86.523 P200.7@135.519,89.063 P200.8@138.059,89.063
pads on no net: J300A.S1 J300A.S2 J300B.S1 J300B.S2 J301A.S1 J301A.S2 J301B.S1 J301B.S2 J600.1 J600.3 J600.5 J600.7 J600.8 J600.10 J600.11 J600.12 J600.13 J600.15 J600.16 J600.17 J600.18 J600.19 J600.21 J600.22 J600.23 J600.24 J600.26 J600.27 J600.28 J600.29 J600.31 J600.32 J600.33 J600.35 J600.36 J600.37 J600.38 J600.40 J700.6 P200.3 U300A.24 U300B.24 U400A.4 U400B.4

## Polygon pours and split planes (outlines as drawn)
no net on L2 (GND) (split plane): 148.863,110.737 148.993,110.711 149.119,110.669 149.238,110.61 149.349,110.536 149.448,110.448 149.536,110.349 149.61,110.238 149.669,110.119 149.711,109.993 149.737,109.863 149.745,109.743 149.744,109.73 149.744,4.27 149.745,4.257 149.737,4.137 149.711,4.007 149.669,3.881 149.61,3.762 149.536,3.651 149.448,3.552 149.349,3.464 149.238,3.39 149.119,3.331 148.993,3.289 148.863,3.263 148.743,3.255 148.73,3.256 10.27,3.256 10.257,3.255 10.137,3.263 10.007,3.289 9.881,3.331 9.762,3.39 9.651,3.464 9.552,3.552 9.464,3.651 9.39,3.762 9.331,3.881 9.289,4.007 9.263,4.137 9.255,4.257 9.256,4.27 9.256,18.73 9.255,18.743 9.263,18.863 9.289,18.993 9.331,19.119 9.39,19.238 9.464,19.349 9.552,19.448 9.651,19.536 9.762,19.61 9.881,19.669 10.007,19.711 10.137,19.737 10.257,19.745 10.27,19.744 13.73,19.744 13.731,19.744 13.901,19.754 14.07,19.782 14.234,19.83 14.392,19.895 14.542,19.978 14.681,20.077 14.809,20.191 14.923,20.319 15.022,20.458 15.105,20.608 15.17,20.766 15.218,20.93 15.246,21.099 15.256,21.269 15.256,21.27 15.256,95.746 15.246,95.845 15.217,95.941 15.17,96.029 15.107,96.107 15.029,96.17 14.941,96.217 14.845,96.246 14.746,96.256 12.27,96.256 12.257,96.255 12.137,96.263 12.007,96.289 11.881,96.331 11.762,96.39 11.651,96.464 11.552,96.552 11.464,96.651 11.39,96.762 11.331,96.881 11.289,97.007 11.263,97.137 11.255,97.257 11.256,97.27 11.256,110 11.255,110.013 11.263,110.117 11.29,110.231 11.335,110.339 11.396,110.439 11.472,110.528 11.561,110.604 11.661,110.665 11.769,110.71 11.883,110.737 11.946,110.742 11.973,110.734 12,110.723 12,110.726 12.035,110.715 12.135,110.705 12.235,110.715 12.27,110.726 12.27,110.723 12.297,110.734 12.33,110.744 148.73,110.744 148.743,110.745
no net on L3 (GND) (split plane): 148.863,110.737 148.993,110.711 149.119,110.669 149.238,110.61 149.349,110.536 149.448,110.448 149.536,110.349 149.61,110.238 149.669,110.119 149.711,109.993 149.737,109.863 149.745,109.743 149.744,109.73 149.744,4.27 149.745,4.257 149.737,4.137 149.711,4.007 149.669,3.881 149.61,3.762 149.536,3.651 149.448,3.552 149.349,3.464 149.238,3.39 149.119,3.331 148.993,3.289 148.863,3.263 148.743,3.255 148.73,3.256 10.27,3.256 10.257,3.255 10.137,3.263 10.007,3.289 9.881,3.331 9.762,3.39 9.651,3.464 9.552,3.552 9.464,3.651 9.39,3.762 9.331,3.881 9.289,4.007 9.263,4.137 9.255,4.257 9.256,4.27 9.256,18.73 9.255,18.743 9.263,18.863 9.289,18.993 9.331,19.119 9.39,19.238 9.464,19.349 9.552,19.448 9.651,19.536 9.762,19.61 9.881,19.669 10.007,19.711 10.137,19.737 10.257,19.745 10.27,19.744 13.73,19.744 13.731,19.744 13.901,19.754 14.07,19.782 14.234,19.83 14.392,19.895 14.542,19.978 14.681,20.077 14.809,20.191 14.923,20.319 15.022,20.458 15.105,20.608 15.17,20.766 15.218,20.93 15.246,21.099 15.256,21.269 15.256,21.27 15.256,95.746 15.246,95.845 15.217,95.941 15.17,96.029 15.107,96.107 15.029,96.17 14.941,96.217 14.845,96.246 14.746,96.256 12.27,96.256 12.257,96.255 12.137,96.263 12.007,96.289 11.881,96.331 11.762,96.39 11.651,96.464 11.552,96.552 11.464,96.651 11.39,96.762 11.331,96.881 11.289,97.007 11.263,97.137 11.255,97.257 11.256,97.27 11.256,110 11.255,110.013 11.263,110.117 11.29,110.231 11.335,110.339 11.396,110.439 11.472,110.528 11.561,110.604 11.661,110.665 11.769,110.71 11.883,110.737 11.946,110.742 11.973,110.734 12,110.723 12,110.726 12.035,110.715 12.135,110.705 12.235,110.715 12.27,110.726 12.27,110.723 12.297,110.734 12.33,110.744 148.73,110.744 148.743,110.745

## Keep-outs
Keep-Out Layer:
  lines w0.508: 12,111 ccw(c12,110) 11,110 11,97.27 ccw(c12.27,97.27) 12.27,96 15,96 15,21.27 cw(c13.73,21.27) 13.73,20 10.27,20 ccw(c10.27,18.73) 9,18.73 9,4.27 ccw(c10.27,4.27) 10.27,3 148.73,3 ccw(c148.73,4.27) 150,4.27 150,109.73 ccw(c148.73,109.73) 148.73,111 12.27,111